# Altium PCB CANSAT-Measurement-SENS PCB.PcbDoc
Units mm, origin at the board's own origin, x right, y up, seen from the top; angles counter-clockwise.
Board outline 49.28 x 78.36 mm, 2 copper layers (Top Layer, Bottom Layer); 42 components, 34 nets, 163 pads, 0 vias.
Unrouted connection lines stored in the file: 93.
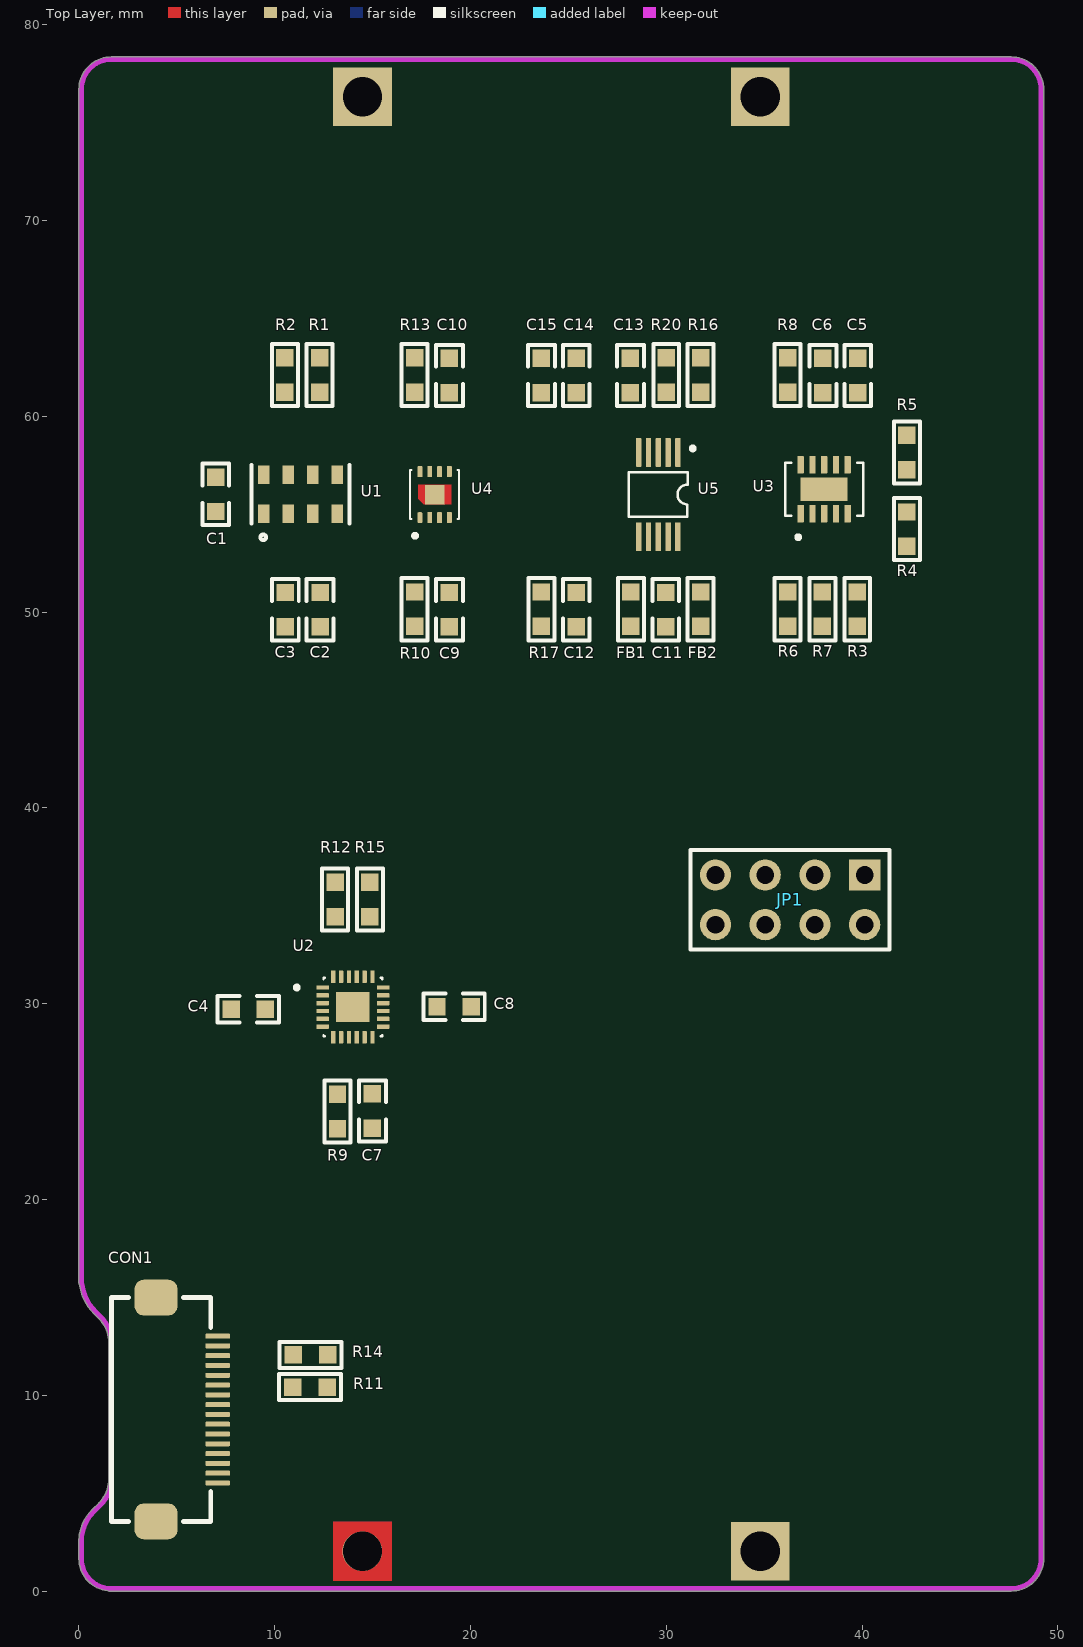
[diagram p0: Top Layer view]
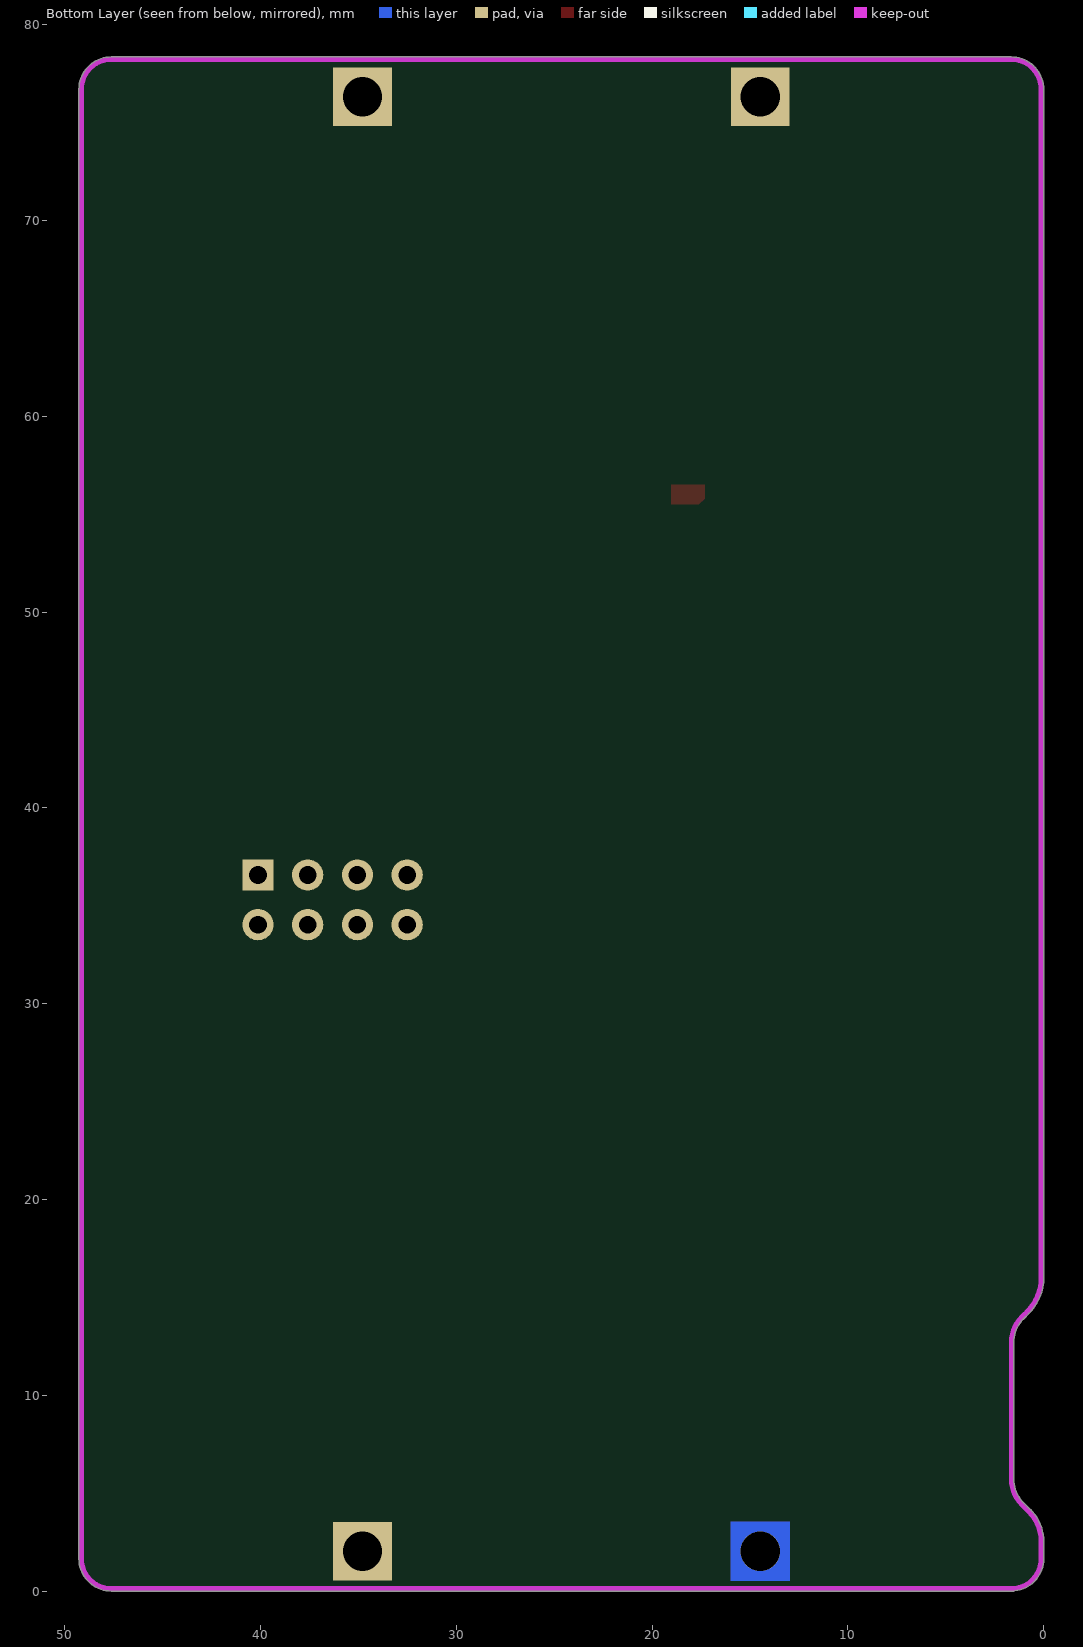
[diagram p1: Bottom Layer view, seen from below]

## Layer stack, top to bottom
Top Solder: solder mask 0.0102, Solder Resist, Dk 3.5
Top Layer: signal copper 0.0356
Dielectric 1: dielectric 0.32, FR-4, Dk 4.8
Bottom Layer: signal copper 0.0356
Bottom Solder: solder mask 0.0102, Solder Resist, Dk 3.5

## Board outline
0,1.651 0,2.667 0.006,2.706 cw(c2.273,2.54) 0.666,4.148 1.022,4.504 ccw(c-0.189,5.715) 1.524,5.715 1.524,12.7 ccw(c-0.189,12.7) 1.022,13.911 0.755,14.178 cw(c2.58,16.002) 0.02,15.679 0,15.748 0,76.708 cw(c1.651,76.708) 1.651,78.359 47.625,78.359 cw(c47.625,76.708) 49.276,76.708 49.276,1.651 cw(c47.625,1.651) 47.625,0 1.524,0 1.476,0.009 cw(c1.651,1.651)

## Design rules (kind name [scope] priority, off if disabled: settings)
Clearance [All] p1: gap=0.178 ignorepadtopadclearanceinfootprint=FALSE
PolygonConnect [All] p1: connectstyle=Relief reliefconductorwidth=0.254 reliefentries=4 polygonreliefangle="90 Angle" airgapwidth=0.254
RoutingVias [All] p1: holewidth=0.711 width=1.27 viastyle="Through Hole" minholewidth=0.711 minwidth=1.27 maxholewidth=0.711 maxwidth=1.27
SolderMaskExpansion [All] p1: expansion=0.102 istentingtop=FALSE
Width [All] p1: maxlimit=0.254 minlimit=0.254 preferedwidth=0.254
30 further rules are at their usual default settings.

## Components (designator, comment, footprint, x,y, rotation, side; value= is the part's Value field where it differs from the comment)
C1 "100nF" "C 0603" 6.985,56.007 r270 top
C2 "10uF" "C 0603" 12.319,50.14 r90 top
C3 "100nF" "C 0603" 10.541,50.14 r90 top
C4 "100nF" "C 0603" 8.636,29.718 r180 top
C5 "10uF" "C 0603" 39.776,62.078 r270 top
C6 "100nF" "C 0603" 37.998,62.103 r90 top
C7 "100nF" "C 0603" 14.986,24.511 r270 top
C8 "10nF" "C 0603" 19.177,29.845 r0 top
C9 "10uF" "C 0603" 18.923,50.14 r90 top
C10 "100nF" "C 0603" 18.923,62.103 r90 top
C11 "10uF" "C 0603" 29.972,50.14 r90 top
C12 "1nF" "C 0603" 25.4,50.14 r90 top
C13 "10uF" "C 0603" 28.169,62.078 r270 top
C14 "100nF" "C 0603" 25.4,62.078 r270 top
C15 "10uF" "C 0603" 23.622,62.078 r270 top
CON1 "FFC_0.5_16" FFC_0.5_16 4.826,9.271 r270 top
FB1 "=Value" "F 0603" 28.194,50.165 r90 top
FB2 "=Value" "F 0603" 31.75,50.165 r90 top
JP1 "Header 4X2" HDR-4X2 40.132,36.576 r180 top
R1 "10K" "R 0603" 12.294,62.129 r90 top
R2 "10K" "R 0603" 10.516,62.129 r90 top
R3 "10K" "R 0603" 39.751,50.165 r90 top
R4 "10K" "R 0603" 42.291,54.229 r270 top
R5 "10K" "R 0603" 42.291,58.166 r90 top
R6 "10K" "R 0603" 36.195,50.165 r90 top
R7 "10K" "R 0603" 37.973,50.139 r270 top
R8 "10K" "R 0603" 36.195,62.129 r90 top
R9 "10K" "R 0603" 13.208,24.511 r90 top
R10 "10K" "R 0603" 17.145,50.165 r90 top
R11 "10K" "R 0603" 11.811,10.414 r0 top
R12 "10K" "R 0603" 13.081,35.306 r270 top
R13 "10K" "R 0603" 17.145,62.103 r270 top
R14 "10K" "R 0603" 11.811,12.065 r180 top
R15 "10K" "R 0603" 14.859,35.306 r270 top
R16 "10K" "R 0603" 31.75,62.103 r270 top
R17 "10K" "R 0603" 23.622,50.165 r90 top
R20 "10K" "R 0603" 29.997,62.103 r270 top
U1 "MPL3115" MPL3115 11.275,56.036 r90 top
U2 "MPU9250" QFN40-25N 13.788,30.54 r0 top
U3 "CCS811" CCS811 38.319,56.281 r90 top
U4 "SHT35" SHT35 18.161,56.007 r90 top
U5 "ADS1115" VSSOP10-N 29.591,56.007 r270 top

## Footprints (in the part's own frame and the unit in brackets; to place one, negate y for a bottom-side part, rotate by r counter-clockwise, add the part's x,y. Pads: shape width x height; smd on the part's side, far side on the other; paste and mask are expansions set on the pad)
"C 0603" [mil] "ï¿½Þ¼ï¿½ï¿½ï¿½ï¿½ï¿½Æ¬ï¿½ï¿½ï¿½ï¿½"
  rect 35x35 smd: 1(-35,0) 2(34,0)
  silkscreen extent -62,-27 61,27, body extent -31,-16 31,16, height 32
CCS811 [mm]
  rrect25% 0.91x0.32 smd: 1(-1.25,1.454) 2(-1.25,0.854) 3(-1.25,0.254) 4(-1.25,-0.346) 5(-1.25,-0.946) 6(1.25,-0.946) 7(1.25,-0.346) 8(1.25,0.254) 9(1.25,0.854) 10(1.25,1.454)
  rect 1.2x2.4 smd paste-2: 11(0,0.254)
  silkscreen extent -2.55,-1.75 1.35,2.25, body extent -1.35,-1.75 1.35,2.25, height 1.1
"F 0603" [mil]
  rect 35x35 smd: 1(-35,0) 2(34,0)
  silkscreen extent -63,-26 62,26, body extent -31,-16 32,16, height 16
FFC_0.5_16 [mil]
  rrect50% 72x86 smd: 0(-225,-35) 0(225,-35)
  rrect50% 10x50 smd: 1(-147.64,89) 2(-127.95,89) 3(-108.27,89) 4(-88.58,89) 5(-68.9,89) 6(-49.21,89) 7(-29.53,89) 8(-9.84,89) 9(9.84,89) 10(29.53,89) 11(49.21,89) 12(68.9,89) 13(88.58,89) 14(108.27,89) 15(127.95,89) 16(147.64,89)
  silkscreen extent -225,-125 225,75, body extent -266,-130 266,80, height 82
HDR-4X2 [mm] "Ë«ï¿½ï¿½ï¿½ï¿½ï¿½ë£¬4x2ï¿½ï¿½"
  rect 1.6x1.6 hole 0.9: 1(0,0)
  round 1.6 hole 0.9: 2(0,2.54) 3(2.54,0) 4(2.54,2.54) 5(5.08,0) 6(5.08,2.54) 7(7.62,0) 8(7.62,2.54)
  silkscreen extent -1.27,-1.27 8.89,3.81, body extent -1.27,-1.27 8.89,3.81, height 8.5
MPL3115 [mm]
  rect 0.95x0.6 smd: 1(-1.013,1.837) 2(-1.013,0.587) 3(-1.013,-0.663) 4(-1.013,-1.913) 5(0.987,-1.913) 6(0.987,-0.663) 7(0.987,0.587) 8(0.987,1.837)
  silkscreen extent -2.35,-2.54 1.49,2.46, body extent -1.51,-2.53 1.49,2.47, height 1.2
QFN40-25N [mm]
  rrect25% 0.64x0.22 smd: 1(-1.342,0.289) 2(-1.342,-0.111) 3(-1.342,-0.511) 4(-1.342,-0.911) 5(-1.342,-1.311) 6(-1.342,-1.711) 13(1.748,-1.711) 14(1.748,-1.311) 15(1.748,-0.911) 16(1.748,-0.511) 17(1.748,-0.111) 18(1.748,0.289)
  rrect25% 0.22x0.64 smd: 7(-0.797,-2.256) 8(-0.397,-2.256) 9(0.003,-2.256) 10(0.403,-2.256) 11(0.803,-2.256) 12(1.203,-2.256) 19(1.203,0.834) 20(0.803,0.834) 21(0.403,0.834) 22(0.003,0.834) 23(-0.397,0.834) 24(-0.797,0.834)
  rect 1.7x1.54 smd paste-2: 25(0.203,-0.711)
  silkscreen extent -2.76,-2.21 1.7,0.79, body extent -1.3,-2.21 1.7,0.79, height 1
"R 0603" [mil] "1/10Wï¿½ï¿½Æ¬ï¿½ï¿½ï¿½ï¿½"
  rect 35x35 smd: 1(-35,0) 2(34,0)
  silkscreen extent -63,-26 62,26, body extent -31,-16 32,16, height 16
SHT35 [mm]
  rrect50% 0.55x0.25 smd mask+0: 1(-1.178,0.743)
  rrect20% 0.55x0.25 smd mask+0: 2(-1.178,0.243) 3(-1.178,-0.257) 4(-1.178,-0.757) 5(1.172,-0.757) 6(1.172,-0.257) 7(1.172,0.243) 8(1.172,0.743)
  rect 1x1 smd paste-1 mask+0: 9(-0.003,-0.007)
  Top Layer region: 0.497,-0.857 -0.503,-0.857 -0.503,0.543 -0.203,0.843 0.497,0.843
  silkscreen extent -2.2,-1.26 1.25,1.24, body extent -1.25,-1.26 1.25,1.24, height 0.9
VSSOP10-N [mm] "1.1 mm max height"
  rrect25% 1.47x0.28 smd: 1(-2.15,1) 2(-2.15,0.5) 3(-2.15,0) 4(-2.15,-0.5) 5(-2.15,-1) 6(2.15,-1) 7(2.15,-0.5) 8(2.15,0) 9(2.15,0.5) 10(2.15,1)
  silkscreen extent -2.46,-1.5 1.14,1.86, body extent -2.45,-1.5 2.45,1.5, height 1.1

## Part data
C1 C2 C3 C4 C5 C6 C7 C8 C9 C10 C11 C12 C13 C14 C15: library part C, "Non-polar patch capacitor", BOM名称=无极性贴片电容, 学习资源=www.ooocke.com, 版权归属=源创客
CON1: "FFC"
FB1 FB2: library part FB, "Ferrite Bead", BOM名称=贴片电阻, 学习资源=www.ooocke.com, 版权归属=源创客
JP1: "4*2P Connector", BOM名称=4*2P接插件, 学习资源=www.ooocke.com, 版权归属=源创客
R1 R2 R3 R4 R5 R6 R7 R8 R9 R10 R11 R12 R13 R14 R15 R16 R17 R20: library part R, "Chip resistor", BOM名称="Chip resistor", 学习资源=www.ooocke.com, 版权归属=源创客
U1: "Pressure Sensor"
U5: "ADS111x Ultra-Small, Low-Power, I / 2C-Compatible, 860-SPS, 16-Bit ADCs / With Internal Reference, Oscillator, and Programmable Comparator", BOM名称=数字电位器, 学习资源=www.ooocke.com, 版权归属=源创客

## Free pads (board coordinates)
  round 2.025 hole 2: 3(14.478,2.032)
  rect 3x3 hole 2: 3(14.478,76.327) 3(34.798,2.032) 3(34.798,76.327)

## Nets (pads, with @x,y where several pads share a name; then routed paths per layer and width w, separated by ;. In a path a pad name is that pad's centre, name@x,y a point inside that pad or via, vN(x,y) a via of type N, cw(c..) or ccw(c..) an arc to the next point about the centre after c; other vN are vias at no path point)
3.3V: C1.2 C2.2 C4.1 C5.2 C6.1 C8.1 C9.2 C10.1 C14.2 C15.2 CON1.15 CON1.16 FB1.1 JP1.2 R1.2 R2.2 R3.1 R5.2 R7.2 R11.1 R12.1 R13.1 R14.1 R15.1 R17.1 U1.1 U1.4 U2.1 U2.8 U2.13 U2.22 U3.6 U4.5
ADDR: R16.2 U5.1
ALERT: R20.2 U5.2
CCS_AUX: R4.1 R5.1 U3.8
CCS_INT: R3.2 U3.3
CCS_RESET: R7.1 U3.2
CCS_SENSE: R4.2 U3.4 U3.5
CCS_WAKE: R8.1 U3.7
E01_CE: CON1.8 JP1.3
E01_CSN: CON1.7 JP1.4
E01_IRQ: CON1.11 JP1.8
E01_MISO: CON1.12 JP1.7
E01_MOSI: CON1.9 JP1.6
E01_SCK: CON1.10 JP1.5
GND: C1.1 C2.1 C3.1 C4.2 C5.1 C6.2 C7.2 C8.2 C9.1 C10.2 C12.1 C14.1 C15.1 CON1.13 CON1.14 FB2.1 JP1.1 R6.1 R8.2 R9.1 R10.1 U1.3 U2.11 U2.18 U2.20 U2.25 U3.11 U4.7 U4.8 U4.9
GNDA: C11.1 C13.2 FB2.2 R16.1 U5.3
IMU_INT: CON1.6 U2.12
IMU_SCL: CON1.2 R15.2 U2.23
IMU_SDA: CON1.1 R12.2 U2.24
IN0: U5.4
MPL_INT1: R2.1 U1.6
MPL_INT2: CON1.3 R1.1 U1.5
NetC3_2: C3.2 U1.2
NetC7_1: C7.1 U2.10
NetC12_2: C12.2
NetR6_2: R6.2 U3.1
NetR9_2: R9.2 U2.9
NetR10_2: R10.2 U4.2
NetR17_2: R17.2
SCL: CON1.4 R14.2 U1.8 U3.10 U4.4 U5.10
SDA: CON1.5 R11.2 U1.7 U3.9 U4.1 U5.9
SHT35_ALT: U4.3
SHT35_RESET: R13.2 U4.6
VDD: C11.2 C13.1 FB1.2 R20.1 U5.8
pads on no net: CON1.0 U2.2 U2.3 U2.4 U2.5 U2.6 U2.7 U2.14 U2.15 U2.16 U2.17 U2.19 U2.21 U5.5 U5.6 U5.7

## Keep-outs
Keep-Out Layer:
  lines w0.254: 0.127,2.54 cw(c2.273,2.54) 0.756,4.058 0.762,4.064 1.112,4.414 ccw(c-0.189,5.715) 1.651,5.715 1.651,12.7 ccw(c-0.189,12.7) 1.112,14.001 1.016,14.097 0.845,14.268 cw(c2.58,16.002) 0.127,16.002 ; 0.127,2.667 0.127,1.651 ccw(c1.651,1.651) 1.651,0.127 ; 0.127,15.748 0.127,76.708 cw(c1.651,76.708) 1.651,78.232 47.625,78.232 cw(c47.625,76.708) 49.149,76.708 49.149,63.881 49.149,1.651 cw(c47.625,1.651) 47.625,0.127 47.117,0.127 2.921,0.127 1.524,0.127

## Other copper
Top Layer:
  region: 12.978,3.532 12.978,0.532 15.978,0.532 15.978,3.532
Bottom Layer:
  region: 12.978,3.532 12.978,0.532 15.978,0.532 15.978,3.532